# Altium PCB DD2090_4CAM_FFC.PcbDoc (part 1 of 4) (continued)
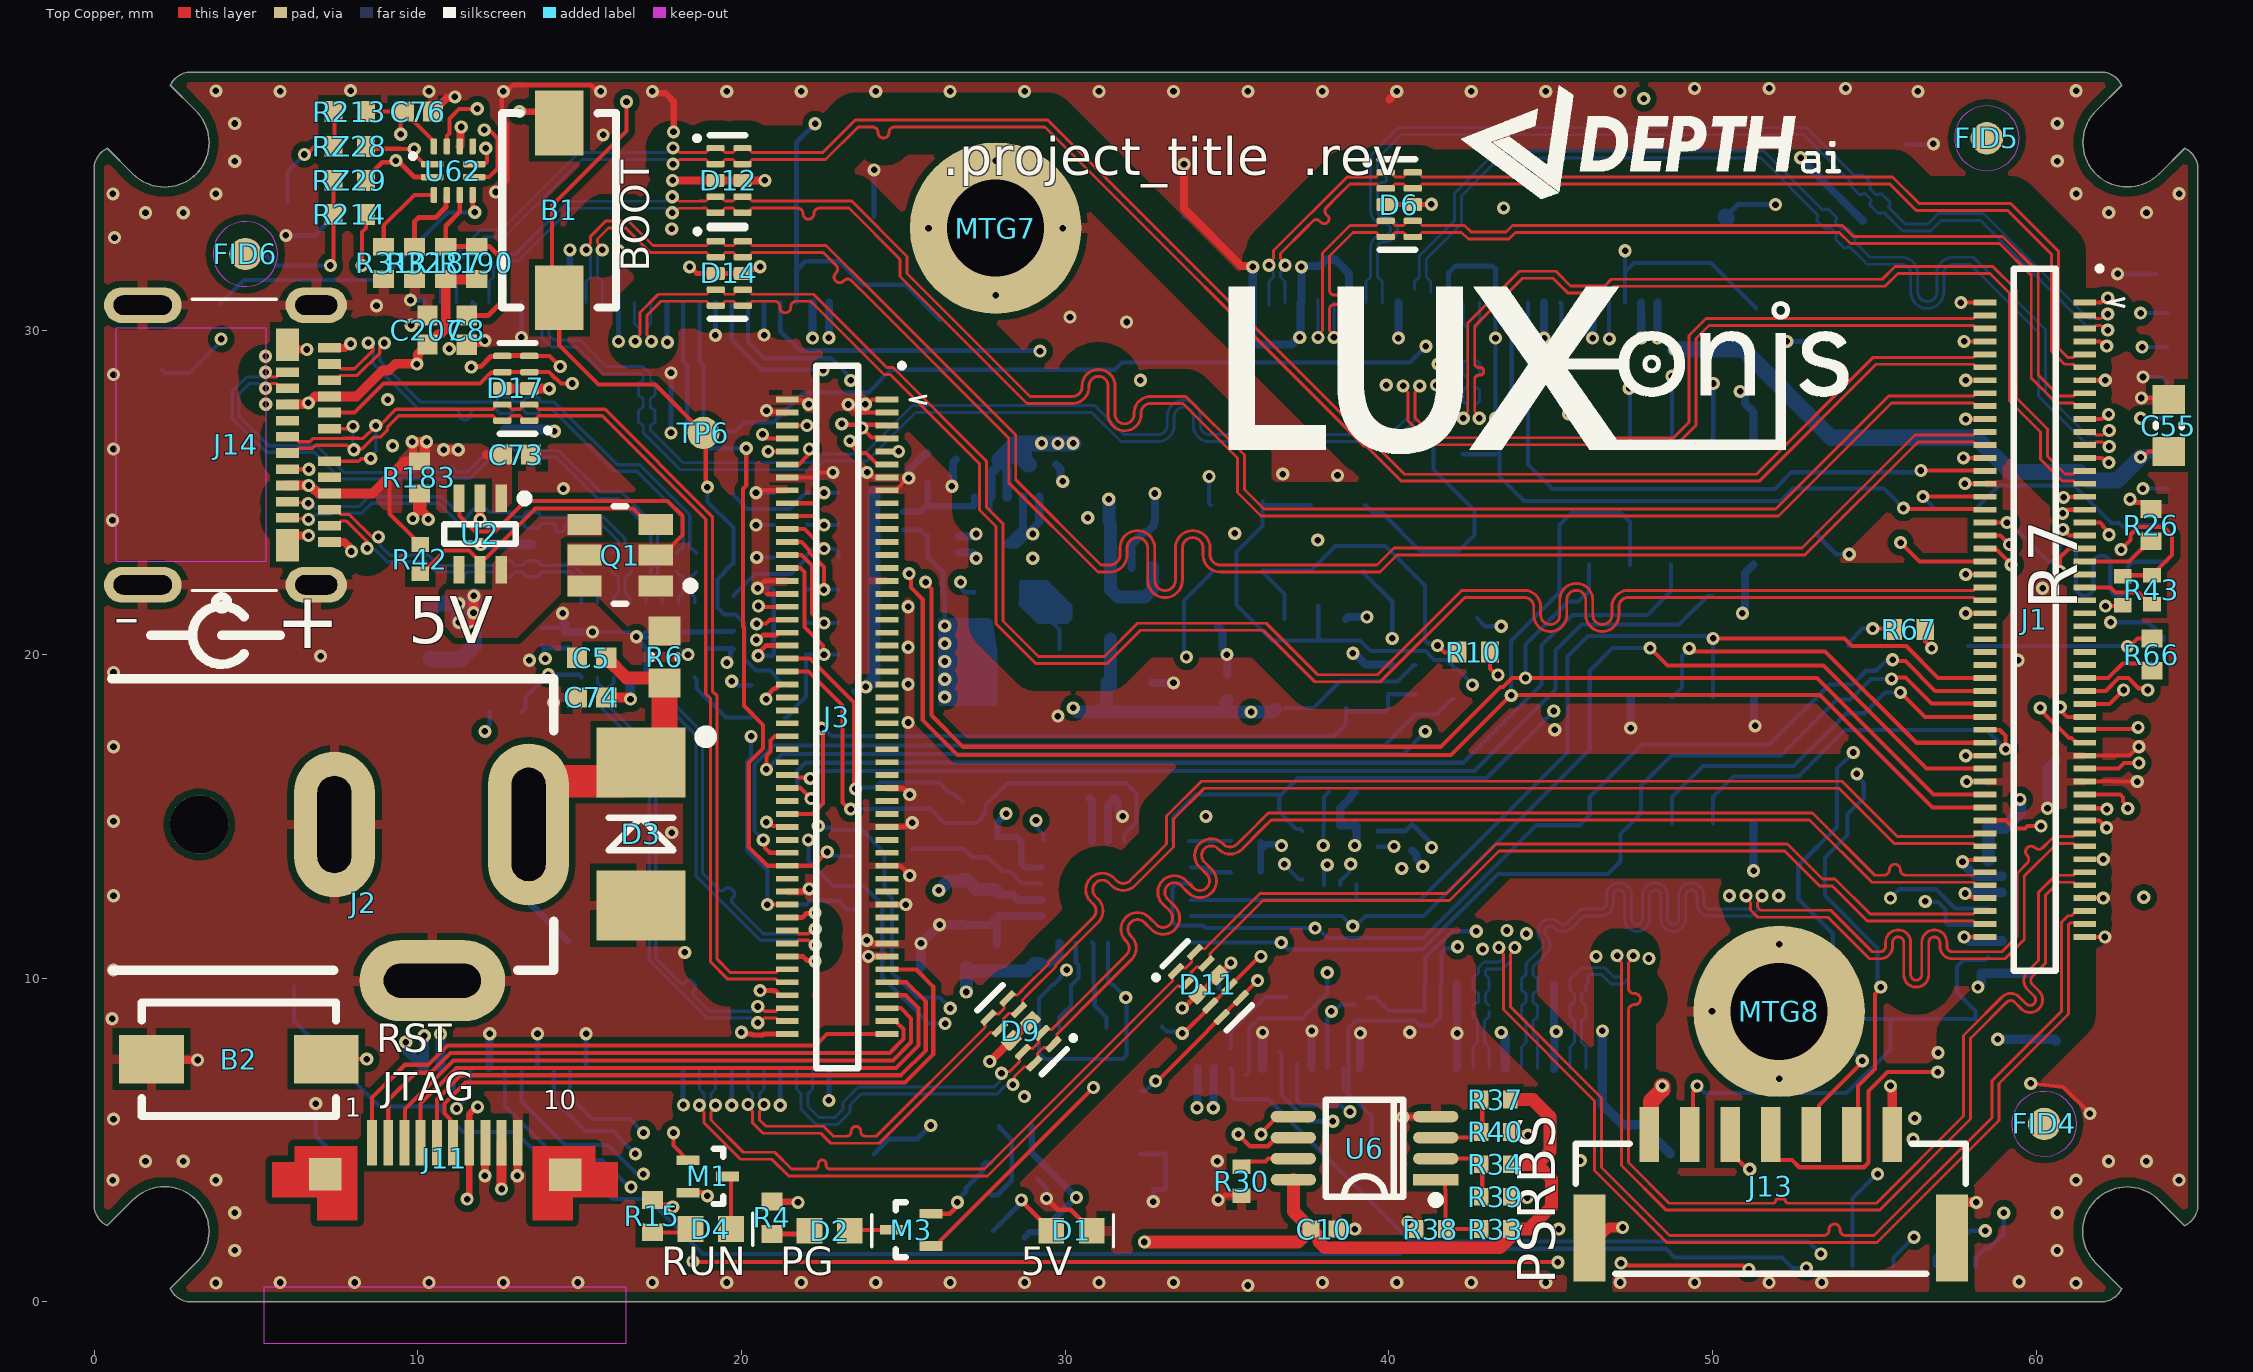
[diagram p0: Top Copper view]
## Components (designator, comment, footprint, x,y, rotation, side; value= is the part's Value field where it differs from the comment) (continued)
R13 "0R 0603" RESC0603(1608)_N 38.423,22.575 r0 bottom
R14 "0R 0603" RESC0603(1608)_N 35.298,22.6 r180 bottom
R15 "1K 0402" RESC0402(1005)_N 17.248,2.65 r90 top
R16 "1K 0402" RESC0402(1005)_N 23.6,21 r0 bottom
R17 "0R 0603" RESC0603(1608)_N 38.423,24.725 r0 bottom
R18 "0R 0603" RESC0603(1608)_N 35.298,24.725 r180 bottom
R19 "10K 0402" RESC0402(1005)_N 21.55,25 r180 bottom
R20 "10K 0402" RESC0402(1005)_N 21.55,24 r180 bottom
R21 "10K 0402" RESC0402(1005)_N 21.55,23 r180 bottom
R22 "10K 0402" RESC0402(1005)_N 21.55,22 r180 bottom
R23 "10K 0402" RESC0402(1005)_N 21.55,21 r180 bottom
R24 "1K 0402" RESC0402(1005)_N 23.6,24 r0 bottom
R25 "20K 0402" RESC0402(1005)_L 25.75,25.775 r270 bottom
R26 "1K 0402" RESC0402(1005)_N 63.55,24 r270 top
R27 "0R 0603" RESC0603(1608)_N 41.923,21.125 r0 bottom
R28 "0R 0402" RESC0402(1005)_N 19.75,22.3 r90 bottom
R29 "0R 0402" RESC0402(1005)_N 19.75,24.425 r270 bottom
R30 "1K 0402" RESC0402(1005)_L 35.45,3.725 r90 top
R31 "10K 0402" RESC0402(1005)_N 8.948,32.1 r270 top
R32 "10K 0402" RESC0402(1005)_N 9.906,32.1 r270 top
R33 "10K 0402" RESC0402(1005)_L 43.3,2.25 r0 top
R34 "10K 0402" RESC0402(1005)_L 43.3,4.25 r0 top
R35 "10K 0402" RESC0402(1005)_L 27.91,13.927 r90 bottom
R36 "0R 0603" RESC0603(1608)_L 26.848,14.725 r90 bottom
R37 "10K 0402" RESC0402(1005)_L 43.3,6.25 r0 top
R38 "10K 0402" RESC0402(1005)_L 41.3,2.25 r0 top
R39 "10K 0402" RESC0402(1005)_L 43.3,3.25 r180 top
R40 "10K 0402" RESC0402(1005)_L 43.3,5.25 r180 top
R41 "0R 0402" RESC0402(1005)_N 21.35,18.55 r90 bottom
R42 "100K 0402" RESC0402(1005)_L 10.075,22.95 r270 top
R43 "CRCW04020000Z0ED" RESC0402(1005)_L 63.575,22 r90 top value=0
R44 "10K 0402" RESC0402(1005)_L 40.825,19.225 r90 bottom
R60 "1K 0402" RESC0402(1005)_N 23.6,23 r0 bottom
R61 "1K 0402" RESC0402(1005)_N 23.6,22 r0 bottom
R63 "10K 0402" RESC0402(1005)_N 21.55,20 r180 bottom
R66 "0R 0402" RESC0402(1005)_N 63.575,20 r270 top
R67 "0R 0402" RESC0402(1005)_N 56.075,20.775 r180 top
R183 "10K 0402" RESC0402(1005)_N 10.05,25.475 r90 top
R185 "10K 0402" RESC0402(1005)_N 20.298,18.55 r90 bottom
R186 "10K 0402" RESC0402(1005)_N 12.725,18.225 r180 bottom
R187 "1.8MR 0402" RESC0402(1005)_N 10.864,32.1 r90 top
R190 "1.8MR 0402" RESC0402(1005)_N 11.823,32.1 r90 top
R213 "10K 0402" RESC0402(1005)_N 7.898,36.775 r0 top
R214 "10K 0402" RESC0402(1005)_N 7.898,33.6 r0 top
RZ28 "10K 0402" RESC0402(1005)_N 7.898,35.7 r0 top
RZ29 "10K 0402" RESC0402(1005)_N 7.898,34.65 r0 top
SW1 "416131160804" FP-416131160804-MFG 56.225,4.925 r180 bottom locked
TP1 "TP100_200_NS" TP100_200_NS 39.475,4.775 r180 bottom
TP2 "TP100_200_NS" TP100_200_NS 51.348,30.7 r180 bottom
TP3 "TP100_200_NS" TP100_200_NS 42.275,26.188 r180 bottom
TP4 "TP100_200_NS" TP100_200_NS 44.298,26.188 r180 bottom
TP5 "TP100_200_NS" TP100_200_NS 39.35,9.4 r180 bottom
TP6 "TP100_200_NS" TP100_200_NS 18.825,26.85 r0 top
TP7 "TP100_200_NS" TP100_200_NS 14.629,11.151 r180 bottom
TP8 "TP100_200_NS" TP100_200_NS 23.625,18.725 r180 bottom
TP9 "TP100_200_NS" TP100_200_NS 26.15,30.4 r180 bottom
TP11 "TP100_200_NS" TP100_200_NS 32.348,6.525 r180 bottom
TP13 "TP100_200_NS" TP100_200_NS 32.923,8.5 r180 bottom
TP14 "TP100_200_NS" TP100_200_NS 23.948,9.5 r180 bottom
TP15 "TP100_200_NS" TP100_200_NS 34.787,9.555 r180 bottom
TP16 "TP100_200_NS" TP100_200_NS 34.723,20.85 r180 bottom
TP17 "TP100_200_NS" TP100_200_NS 56,35.75 r180 bottom
TP18 "TP075_150_NS" TP075_150_NS 26.23,21.827 r180 bottom
TP19 "TP100_200_NS" TP100_200_NS 24.175,15.225 r180 bottom
TP20 "TP100_200_NS" TP100_200_NS 36.823,9.425 r90 bottom
TP21 "TP100_200_NS" TP100_200_NS 6.175,9.75 r180 bottom
TP22 "TP100_200_NS" TP100_200_NS 31.3,28.8 r180 bottom
TP23 "TP100_200_NS" TP100_200_NS 23.4,13.775 r180 bottom
TP25 "TP100_200_NS" TP100_200_NS 36.45,15.625 r180 bottom
TP26 "TP100_200_NS" TP100_200_NS 25.273,14 r180 bottom
TP40 "TP100_200_NS" TP100_200_NS 23.5,12.125 r180 bottom
TP41 "TP100_200_NS" TP100_200_NS 2.075,28.8 r180 bottom
TP42 "TP100_200_NS" TP100_200_NS 3.875,30.825 r180 bottom
TP43 "TP100_200_NS" TP100_200_NS 5.125,32.3 r180 bottom
TP44 "TP100_200_NS" TP100_200_NS 5.975,34 r180 bottom
U1 "TPS51313DRCR" VSON-TPS51313DRCR 28.2,23.4 r270 bottom
U2 "LM66100DCKR" LM66100DCKR 11.925,23.725 r270 top
U4 "TLV70018DCK" TLV70018DCK 32.049,21.583 r0 bottom
U5 "NC7SZ66M5X" SOT235 37.723,19.725 r270 bottom
U6 "24AA32A-I/MS 8-MSOP" 24AA32A-I/MS 39.25,4.75 r180 top
U7 "BMI270" XDCR_BMI270 38.5,13.8 r0 bottom
U12 "BNO085" BNO085 31.578,12.671 r270 bottom locked
U61 "USB Type-C Switch" CBTL02043A 16.803,20.449 r90 bottom
U62 "USB Type-C Port Control" TUSB321RWBR 11.098,34.95 r90 top
Y1 "ABS06-127-32.768KHZ-T" ABS06-127-32.768KHZ-T 30.545,8.467 r0 bottom

## Footprints (in the part's own frame and the unit in brackets; to place one, negate y for a bottom-side part, rotate by r counter-clockwise, add the part's x,y. Pads: shape width x height; smd on the part's side, far side on the other; paste and mask are expansions set on the pad)
1SMB5919BT3G [mm] "Molded, 2-Leads, Body 4.6x3.95mm"
  rect 2.159x2.743 smd: 1(-2.21,0) 2(2.21,0)
  silkscreen extent -3.1,-1 0.5,2.1, body extent -2.3,-1.97 2.3,1.97, height 2.42
24AA32A-I/MS [mm] "Body: 3 x 3mm, pitch: 0.65mm"
  rect 1.4x0.35 smd mask+0.05: 1(-2.2,0.975)
  oval 1.4x0.35 smd mask+0.05: 2(-2.2,0.325) 3(-2.2,-0.325) 4(-2.2,-0.975) 5(2.2,-0.975) 6(2.2,-0.325) 7(2.2,0.325) 8(2.2,0.975)
  silkscreen extent -2.33,-1.5 1.2,1.72, body extent -2.45,-1.5 2.45,1.5, height 1.15
104031-0811 [mm] "10 (8 + 2) Position Card Connector Secure Digital - microSD™ Surface Mount, Right Angle Gold"
  rect 0.85x1.1 smd: 1(3.113,-5.412) 3(0.913,-5.412) 4(-0.188,-5.412) 5(-1.288,-5.412) 6(-2.387,-5.412) 7(-3.487,-5.412)
  rect 0.875x1.1 smd: 2(2.013,-5.412)
  rect 0.75x1.1 smd: 8(-4.537,-5.412)
  rect 1.2x1 smd: 9(5.748,0.738) 10(5.748,4.438)
  rect 1.9x1.35 smd: 11(2.248,5.413) 12(-3.722,5.413)
  rect 1.17x1.8 smd: 13(-5.747,-5.062)
  rect 1.55x1.35 smd: 14(5.573,-5.287)
  body extent -5.95,-5.65 6,5.75, height 1.44
105450-0101 [mm] "USB3.1 Type-C Molex SMT, RA, TH"
  rect 0.3x0.7 smd mask+0.05: A1(-3,0.65) A2(-2.5,0.65) A3(-2,0.65) A4(-1.5,0.65) A5(-1,0.65) A6(-0.5,0.65) A7(0.5,0.65) A8(1,0.65) A9(1.5,0.65) A10(2,0.65) A11(2.5,0.65) A12(3,0.65) B2(2.25,-0.65) B3(1.75,-0.65) B4(1.25,-0.65) B5(0.75,-0.65) B6(0.25,-0.65) B7(-0.25,-0.65) B8(-0.75,-0.65) B9(-1.25,-0.65) B10(-1.75,-0.65) B11(-2.25,-0.65)
  rect 1x0.7 smd mask+0.02: B1(3.1,-0.65) B12(-3.1,-0.65)
  oval 1.1x1.9 hole 0.6 slot 1.3 at 90 deg mask+0.05: SH1(-4.32,0.24) SH4(4.32,0.24)
  oval 1.1x2.4 hole 0.6 slot 1.8 at 90 deg mask+0.05: SH2(-4.32,-5.12) SH3(4.32,-5.12)
  Top Copper keep-out region: -3.6,-5.951 3.6,-5.951 3.6,-1.3 -3.6,-1.3
  silkscreen extent -4.5,-3.6 4.5,-1, body extent -4.47,-7.02 4.47,0.88, height 3.2
20021121-00010T1LF [mm] "Connector Header Surface Mount 10 position 0.050\" (1.27mm)   Contact length: 0.120\" (3.05mm)"
  rect 0.76x2.4 smd: 1(-2.54,-1.95) 2(-2.54,1.95) 3(-1.27,-1.95) 4(-1.27,1.95) 5(0,-1.95) 6(0,1.95) 7(1.27,-1.95) 8(1.27,1.95) 9(2.54,-1.95) 10(2.54,1.95)
  body extent -3.18,-2.75 3.17,2.75, height 4.55
9774030243R [mm] "STANDOFF_M2X0.4_3MM with no pad on bottom of PCB"
  round 5.3 / inner round 2.7 / far side round 2.7 hole 3 mask+0.05: 1(0,0)
  body extent -2.17,-2.17 2.18,2.17, height 3.05
ABS06-127-32.768KHZ-T [mm] "2-SMD 0.079\" L x 0.047\" W (2.00mm x 1.20mm)"
  rect 0.75x1.4 smd: 1(-0.73,0) 2(0.73,0)
  body extent -1,-0.6 1,0.6, height 0.65
BNO085 [mm] "28-TFLGA Module (5.2x3.8)"
  rect 0.675x0.25 smd paste+0 mask+0: 1(1.562,2.25) 6(-1.562,2.25) 7(-1.562,1.75) 8(-1.562,1.25) 9(-1.562,0.75) 10(-1.562,0.25) 11(-1.562,-0.25) 12(-1.562,-0.75) 13(-1.562,-1.25) 14(-1.562,-1.75) 15(-1.562,-2.25) 20(1.562,-2.25) 21(1.562,-1.75) 22(1.562,-1.25) 23(1.562,-0.75) 24(1.562,-0.25) 25(1.562,0.25) 26(1.562,0.75) 27(1.562,1.25) 28(1.562,1.75)
  rect 0.25x0.575 smd paste+0 mask+0: 2(0.75,2.312) 3(0.25,2.312) 4(-0.25,2.312) 5(-0.75,2.312) 16(-0.75,-2.312) 17(-0.25,-2.312) 18(0.25,-2.312) 19(0.75,-2.312)
  silkscreen extent -2.3,-3.08 3.05,3.08, body extent -1.9,-2.6 1.9,2.6, height 1.18
CAPC0201(0603)33_L [mm] "Chip Capacitor, Body 0.6x0.3mm, Height 0.33mm, IPC High Density"
  rect 0.36x0.32 smd: 1(-0.28,0) 2(0.28,0)
  body extent -0.32,-0.17 0.32,0.17, height 0.33
CAPC0402(1005)70_L [mm] "Chip Capacitor, Body 1.0x0.5mm, Height 0.7mm, IPC High Density"
  rect 0.52x0.52 smd: 1(-0.4,0) 2(0.4,0)
  body extent -0.55,-0.3 0.55,0.3, height 0.7
CAPC0402(1005)70_N [mm] "Chip Capacitor, Body 1.0x0.5mm, Height 0.7mm, IPC Medium Density"
  rect 0.62x0.62 smd: 1(-0.45,0) 2(0.45,0)
  body extent -0.55,-0.3 0.55,0.3, height 0.7
CAPC0603(1608)100_L [mm] "Chip Capacitor, Body 1.6x0.8mm, Height 1.0mm, IPC High Density"
  rect 0.7x0.9 smd: 1(-0.7,0) 2(0.7,0)
  silkscreen extent -0.05,-0.35 0.05,0.35, body extent -0.87,-0.47 0.88,0.48, height 1
CAPC0603(1608)100_N [mm] "Chip Capacitor, Body 1.6x0.8mm, Height 1.0mm, IPC Medium Density"
  rect 0.9x1 smd: 1(-0.8,0) 2(0.8,0)
  silkscreen extent -0.05,-0.4 0.05,0.4, body extent -0.87,-0.48 0.88,0.47, height 1
CBTL02043A [mm] "VQFN-20"
  rrect20% 0.25x0.6 smd mask+0.07: 1(-0.25,2.15) 10(-0.25,-2.15) 11(0.25,-2.15) 20(0.25,2.15)
  rrect20% 0.6x0.25 smd mask+0.07: 2(-1.15,1.75) 3(-1.15,1.25) 4(-1.15,0.75) 5(-1.15,0.25) 6(-1.15,-0.25) 7(-1.15,-0.75) 8(-1.15,-1.25) 9(-1.15,-1.75) 12(1.15,-1.75) 13(1.15,-1.25) 14(1.15,-0.75) 15(1.15,-0.25) 16(1.15,0.25) 17(1.15,0.75) 18(1.15,1.25) 19(1.15,1.75)
  rrect10% 1x3 smd paste-3 mask+0.07: 21(0,0)
  silkscreen extent -1.25,-2.25 1.25,2.53, body extent -1.25,-2.25 1.25,2.25, height 1
CON_A_BW2099_SoM_DF40HC-3.0-100DS-0.4V_minpad [mm] "3.0MM MATED HEIGHT CONN HDR 100POS 0.4MM SMD GOLD"
  rect 0.7x0.18 smd: 1(-19.04,-9.8) 2(-15.96,-9.8) 3(-19.04,-9.4) 4(-15.96,-9.4) 5(-19.04,-9) 6(-15.96,-9) 7(-19.04,-8.6) 8(-15.96,-8.6) 9(-19.04,-8.2) 10(-15.96,-8.2) 11(-19.04,-7.8) 12(-15.96,-7.8) 13(-19.04,-7.4) 14(-15.96,-7.4) 15(-19.04,-7) 16(-15.96,-7) 17(-19.04,-6.6) 18(-15.96,-6.6) 19(-19.04,-6.2) 20(-15.96,-6.2) 21(-19.04,-5.8) 22(-15.96,-5.8) 23(-19.04,-5.4) 24(-15.96,-5.4) 25(-19.04,-5) 26(-15.96,-5) 27(-19.04,-4.6) 28(-15.96,-4.6) 29(-19.04,-4.2) 30(-15.96,-4.2) 31(-19.04,-3.8) 32(-15.96,-3.8) 33(-19.04,-3.4) 34(-15.96,-3.4) 35(-19.04,-3) 36(-15.96,-3) 37(-19.04,-2.6) 38(-15.96,-2.6) 39(-19.04,-2.2) 40(-15.96,-2.2) 41(-19.04,-1.8) 42(-15.96,-1.8) 43(-19.04,-1.4) 44(-15.96,-1.4) 45(-19.04,-1) 46(-15.96,-1) 47(-19.04,-0.6) 48(-15.96,-0.6) 49(-19.04,-0.2) 50(-15.96,-0.2) 51(-19.04,0.2) 52(-15.96,0.2) 53(-19.04,0.6) 54(-15.96,0.6) 55(-19.04,1) 56(-15.96,1) 57(-19.04,1.4) 58(-15.96,1.4) 59(-19.04,1.8) 60(-15.96,1.8) 61(-19.04,2.2) 62(-15.96,2.2) 63(-19.04,2.6) 64(-15.96,2.6) 65(-19.04,3) 66(-15.96,3) 67(-19.04,3.4) 68(-15.96,3.4) 69(-19.04,3.8) 70(-15.96,3.8) 71(-19.04,4.2) 72(-15.96,4.2) 73(-19.04,4.6) 74(-15.96,4.6) 75(-19.04,5) 76(-15.96,5) 77(-19.04,5.4) 78(-15.96,5.4) 79(-19.04,5.8) 80(-15.96,5.8) 81(-19.04,6.2) 82(-15.96,6.2) 83(-19.04,6.6) 84(-15.96,6.6) 85(-19.04,7) 86(-15.96,7) 87(-19.04,7.4) 88(-15.96,7.4) 89(-19.04,7.8) 90(-15.96,7.8) 91(-19.04,8.2) 92(-15.96,8.2) 93(-19.04,8.6) 94(-15.96,8.6) 95(-19.04,9) 96(-15.96,9) 97(-19.04,9.4) 98(-15.96,9.4) 99(-19.04,9.8) 100(-15.96,9.8)
  silkscreen extent -20.25,-10.88 -16.85,10.85, body extent -19.19,-11.3 -15.81,11.3, height 2.85
CON_B_BW2099_SoM_DF40HC-3.0-100DS-0.4V_minpad [mm] "3.0MM MATED HEIGHT CONN HDR 100POS 0.4MM SMD GOLD"
  rect 0.7x0.18 smd: 1(17.96,-6.8) 2(21.04,-6.8) 3(17.96,-6.4) 4(21.04,-6.4) 5(17.96,-6) 6(21.04,-6) 7(17.96,-5.6) 8(21.04,-5.6) 9(17.96,-5.2) 10(21.04,-5.2) 11(17.96,-4.8) 12(21.04,-4.8) 13(17.96,-4.4) 14(21.04,-4.4) 15(17.96,-4) 16(21.04,-4) 17(17.96,-3.6) 18(21.04,-3.6) 19(17.96,-3.2) 20(21.04,-3.2) 21(17.96,-2.8) 22(21.04,-2.8) 23(17.96,-2.4) 24(21.04,-2.4) 25(17.96,-2) 26(21.04,-2) 27(17.96,-1.6) 28(21.04,-1.6) 29(17.96,-1.2) 30(21.04,-1.2) 31(17.96,-0.8) 32(21.04,-0.8) 33(17.96,-0.4) 34(21.04,-0.4) 35(17.96,0) 36(21.04,0) 37(17.96,0.4) 38(21.04,0.4) 39(17.96,0.8) 40(21.04,0.8) 41(17.96,1.2) 42(21.04,1.2) 43(17.96,1.6) 44(21.04,1.6) 45(17.96,2) 46(21.04,2) 47(17.96,2.4) 48(21.04,2.4) 49(17.96,2.8) 50(21.04,2.8) 51(17.96,3.2) 52(21.04,3.2) 53(17.96,3.6) 54(21.04,3.6) 55(17.96,4) 56(21.04,4) 57(17.96,4.4) 58(21.04,4.4) 59(17.96,4.8) 60(21.04,4.8) 61(17.96,5.2) 62(21.04,5.2) 63(17.96,5.6) 64(21.04,5.6) 65(17.96,6) 66(21.04,6) 67(17.96,6.4) 68(21.04,6.4) 69(17.96,6.8) 70(21.04,6.8) 71(17.96,7.2) 72(21.04,7.2) 73(17.96,7.6) 74(21.04,7.6) 75(17.96,8) 76(21.04,8) 77(17.96,8.4) 78(21.04,8.4) 79(17.96,8.8) 80(21.04,8.8) 81(17.96,9.2) 82(21.04,9.2) 83(17.96,9.6) 84(21.04,9.6) 85(17.96,10) 86(21.04,10) 87(17.96,10.4) 88(21.04,10.4) 89(17.96,10.8) 90(21.04,10.8) 91(17.96,11.2) 92(21.04,11.2) 93(17.96,11.6) 94(21.04,11.6) 95(17.96,12) 96(21.04,12) 97(17.96,12.4) 98(21.04,12.4) 99(17.96,12.8) 100(21.04,12.8)
  silkscreen extent 16.75,-7.88 20.15,13.85, body extent 17.81,-8.3 21.19,14.3, height 2.85
DFE252012P-1R0M=P2 [mm] "Chip Inductor, 2-Leads, Body 2.40x2.00mm, IPC High Density"
  rect 0.8x2 smd: 1(-1,0) 2(1,0)
  silkscreen extent -0.05,-0.9 0.05,0.9, body extent -1.25,-1.1 1.25,1.1, height 1.2
DTSM-32N-V [mm] "tactile button 160gf"
  rect 2x1.5 smd: 1(-2.7,0) 2(2.7,0)
  silkscreen extent -3.01,-1.76 3,1.75, body extent -3.65,-1.75 3.65,1.75, height 5
F32R-1A7H1-11010 [mm]
  rect 0.3x1.6 smd: 1(-2.249,1.325) 2(-1.749,1.325) 3(-1.249,1.325) 4(-0.749,1.325) 5(-0.249,1.325) 6(0.251,1.325) 7(0.751,1.325) 8(1.251,1.325) 9(1.751,1.325) 10(2.251,1.325)
  rect 2.4x2.4 smd: MP1(-4.349,-1.325) MP2(4.349,-1.325)
  silkscreen extent -3.95,1.55 4.48,2.07, body extent -6.14,-4.25 6.16,1.25, height 2.08
F32R-1A7H1-11026 [mm] "26pin Molex FFC 0.5mm Bottom"
  rect 0.3x1.6 smd: 1(-6.25,1.225) 2(-5.75,1.225) 3(-5.25,1.225) 4(-4.75,1.225) 5(-4.25,1.225) 6(-3.75,1.225) 7(-3.25,1.225) 8(-2.75,1.225) 9(-2.25,1.225) 10(-1.75,1.225) 11(-1.25,1.225) 12(-0.75,1.225) 13(-0.25,1.225) 14(0.25,1.225) 15(0.75,1.225) 16(1.25,1.225) 17(1.75,1.225) 18(2.25,1.225) 19(2.75,1.225) 20(3.25,1.225) 21(3.75,1.225) 22(4.25,1.225) 23(4.75,1.225) 24(5.25,1.225) 25(5.75,1.225) 26(6.25,1.225)
  rect 2.4x2.4 smd: MP1(-8.35,-1.425) MP2(8.35,-1.425)
  silkscreen extent -8.49,1.45 8.49,2.44, body extent -10.16,-4.47 10.14,1.03, height 2.08
FIDUCIAL_ROUND_1MM [mm] "Round, 1mm dia"
  round 1 smd paste-1 mask+0.5: 1(0,0)
  Top Copper keep-out circle w0.025: c0,0 r1
FP-416131160804-MFG [mm]
  rect 0.76x1.27 smd paste+0 mask+0: 1(-1.905,-3.81) 2(-0.635,-3.81) 3(0.635,-3.81) 4(1.905,-3.81) 5(1.905,3.81) 6(0.635,3.81) 7(-0.635,3.81) 8(-1.905,3.81)
  silkscreen extent -3.27,-5.33 3.27,2.93, body extent -3.13,-4.22 3.13,4.22, height 2.65
LM66100DCKR [mm] "SOT23, 6-Leads, Body 2.00x2.10mm, Pitch 0.65mm, IPC Medium Density"
  rect 0.85x0.35 smd: 1(-1.1,0.65) 2(-1.1,0) 3(-1.1,-0.65) 4(1.1,-0.65) 5(1.1,0) 6(1.1,0.65)
  silkscreen extent -1.22,-1.1 0.3,1.5, body extent -1.2,-1.07 1.2,1.07, height 1.1
PJ-050AH/NEB21R_COMBO [mm] "PJ-050AH or NEB21R 2.1mm ID, 5.5mm OD, 3pin, 2contact"
  oval 5x2.5 hole 1.05 slot 3.5 at 0 deg mask+0.05: 1(0,6.025)
  oval 2.5x4.5 hole 1.05 slot 3 at 90 deg mask+0.05: 2(4.825,3.05)
  oval 4.5x2.5 hole 1.05 slot 3 at 0 deg mask+0.05: 3(0,0.025)
  round 1.8 hole 1.8 unplated: ""(0,-4.15)
  silkscreen extent -6.75,-6.85 4.5,6.8, body extent -4.5,-7.65 5.2,6.85, height 11.05
RE1C002UNTCL [mm] "ROHM SOT-416FL"
  rect 0.3x0.71 smd: 1(-0.5,-0.61) 2(0.5,-0.61) 3(0,0.61)
  silkscreen extent -0.85,0.18 0.85,0.48, body extent -0.95,-1.06 0.95,1.06, height 0.25
RESC0402(1005)_L [mm] "Chip Resistor, Body 1.0x0.5mm, IPC High Density"
  rect 0.45x0.55 smd: 1(-0.45,0) 2(0.45,0)
  body extent -0.52,-0.27 0.53,0.28, height 0.4
RESC0402(1005)_N [mm] "Chip Resistor, Body 1.0x0.5mm, IPC Medium Density"
  rect 0.55x0.65 smd: 1(-0.5,0) 2(0.5,0)
  body extent -0.52,-0.27 0.53,0.28, height 0.4
RESC0603(1608)_L [mm] "Chip Resistor, Body 1.6x0.8mm, IPC High Density"
  rect 0.7x0.9 smd: 1(-0.7,0) 2(0.7,0)
  silkscreen extent -0.05,-0.35 0.05,0.35, body extent -0.85,-0.47 0.85,0.47, height 0.6
RESC0603(1608)_N [mm] "Chip Resistor, Body 1.6x0.8mm, IPC Medium Density"
  rect 0.9x1 smd: 1(-0.8,0) 2(0.8,0)
  silkscreen extent -0.05,-0.4 0.05,0.4, body extent -0.85,-0.47 0.85,0.47, height 0.6
SFV10R-2STE1HLF [mm] "CONN FFC TOP 10POS 0.50MM R/A"
  rect 0.305x1.405 smd: 1(-2.258,0.494) 1(-2.258,0.494) 2(-1.759,0.494) 3(-1.258,0.494) 4(-0.758,0.494) 5(-0.258,0.494) 6(0.242,0.494) 7(0.741,0.494) 8(1.242,0.494) 9(1.742,0.494) 10(2.242,0.494)
  rect 1x1 smd: 11(-3.707,-0.486) 12(3.708,-0.494)
  Top Copper region: 3.942,0.394 2.692,0.394 2.692,-1.906 3.942,-1.906
  Top Copper region: 5.341,-0.105 2.691,-0.105 2.691,-1.205 5.341,-1.205
  Top Copper region: 4.641,0.395 2.691,0.395 2.691,-1.205 4.641,-1.205
  Top Copper region: -4.658,-1.205 -2.708,-1.205 -2.708,0.395 -4.658,0.395
  Top Copper region: -5.358,-1.205 -2.708,-1.205 -2.708,-0.105 -5.358,-0.105
  Top Copper region: -3.958,-1.906 -2.708,-1.906 -2.708,0.394 -3.958,0.394
  Keep-Out Layer region: 5.594,-5.708 5.594,-3.973 -5.611,-3.973 -5.611,-5.708
  body extent -5.26,-4.01 5.24,0.89, height 1.82
SM07B-GHS-TB [mm]
  rect 0.6x1.7 smd mask+0.05: 1(-3.75,1.6) 2(-2.5,1.6) 3(-1.25,1.6) 4(0,1.6) 5(1.25,1.6) 6(2.5,1.6) 7(3.75,1.6)
  rect 1x2.7 smd mask+0.05: MH1(-5.6,-1.6) MH2(5.6,-1.6)
  silkscreen extent -6.02,-2.7 6.02,1.31, body extent -6.03,-2.7 5.97,2.15, height 4.25
SML_D1xx8W [mm] "Rohm LED SML_D1 series - Chip Diode, 2-Leads, Body 1.60x0.80mm, IPC High Density"
  rect 0.8x0.8 smd: 1(-0.625,0) 2(0.625,0)
  silkscreen extent -1.3,-0.5 -1.3,0.5, body extent -0.8,-0.4 0.8,0.4, height 0.6
SOT235 [mm] "SOT23-5 60mil"
  rrect17% 1x0.6 smd: 1(-1.375,0.95) 2(-1.375,0) 3(-1.375,-0.95) 4(1.375,-0.95) 5(1.375,0.95)
  silkscreen extent -1.52,-1.55 0.5,1.82, body extent -1.43,-1.45 1.4,1.45, height 1.17
TLV70018DCK [mm] "SC70-5 1.1mm"
  rect 0.4x0.9 smd paste-0.025 mask+0.05: 1(-0.65,-1.1) 2(0,-1.1) 3(0.65,-1.1) 4(0.65,1.1) 5(-0.65,1.1)
  silkscreen extent -1.27,-1.74 -1.22,-1.69, body extent -1.1,-1.2 1.1,1.2, height 1.1
TP075_150_NS [mm] "0.75mm dia pad, 1.5mm dia clearance, no silk screen"
  round 0.75 smd paste-2: 1(0,0)
TP100_200_NS [mm] "1mm dia pad, 2mm dia clearance, no silk screen"
  round 1 smd paste-2: 1(0,0)
TPD4E02B04DQAR [mm] "TPD4E02B04DQAR"
  rrect50% 0.2x0.565 smd mask+0.07: 1(-1,-0.417) 2(-0.5,-0.417) 4(0.5,-0.417) 5(1,-0.417) 6(1,0.417) 7(0.5,0.417) 9(-0.5,0.417) 10(-1,0.417)
  rrect25% 0.4x0.565 smd mask+0.07: 3(0,-0.417) 8(0,0.417)
  silkscreen extent -1.4,-1.01 1.4,0.5, body extent -1.2,-0.71 1.2,0.71, height 0.55
TSOP-6-MFG [mm]
  rect 1.06x0.65 smd: 1(-1.1,0.95) 2(-1.1,0) 3(-1.1,-0.95) 4(1.1,-0.95) 5(1.1,0) 6(1.1,0.95)
  silkscreen extent -2.3,-1.5 0.2,1.5, body extent -1.73,-1.6 1.73,1.6, height 0.25
TUSB321RWBR [mm] "X2QFN-12 1.6x1.6"
  rrect50% 0.2x0.7 smd mask+0.05: 1(0.2,0.65) 2(-0.2,0.65) 7(-0.2,-0.65) 8(0.2,-0.65)
  rrect50% 0.5x0.2 smd mask+0.05: 3(-0.75,0.6) 4(-0.75,0.2) 5(-0.75,-0.2) 6(-0.75,-0.6) 9(0.75,-0.6) 10(0.75,-0.2) 11(0.75,0.2) 12(0.75,0.6)
  silkscreen extent 0.42,1.22 0.48,1.28, body extent -0.8,-0.8 0.8,0.8, height 0.4
VSON-TPS51313DRCR [mm] "SON, 10-Leads, Body 3x3mm, Pitch 0.5mm, Thermal Pad 2.4x1.65mm, TI Recommended"
  rrect36% 0.85x0.28 smd paste-0.025 mask+0.07: 1(-1.475,1) 2(-1.475,0.5) 3(-1.475,0) 4(-1.475,-0.5) 5(-1.475,-1) 6(1.475,-1) 7(1.475,-0.5) 8(1.475,0) 9(1.475,0.5) 10(1.475,1)
  rrect6% 0.28x0.8 smd paste-1 mask+0.07: 11(-0.25,-1.5) 11(-0.25,1.5) 11(0.25,-1.5) 11(0.25,1.5)
  rrect6% 1.65x2.4 smd paste-0.825 mask+0.07: 11(0,0)
  silkscreen extent -2.15,-1.7 1.7,1.7, body extent -1.55,-1.55 1.55,1.55, height 1
XDCR_BMI270 [mm]
  rect 0.475x0.25 smd: 1(-1.162,0.75) 2(-1.162,0.25) 3(-1.162,-0.25) 4(-1.162,-0.75) 8(1.162,-0.75) 9(1.162,-0.25) 10(1.162,0.25) 11(1.162,0.75)
  rect 0.25x0.475 smd: 5(-0.5,-0.913) 6(0,-0.913) 7(0.5,-0.913) 12(0.5,0.913) 13(0,0.913) 14(-0.5,0.913)
  silkscreen extent -2.07,-1.25 1.5,1.25, body extent -1.5,-1.25 1.5,1.25, height 0.87

## Part data
B1 B2: library part DTSM-32N-V, "SWITCH TACTILE SMT 3.5mm * 6mm , brown 160gf", Manufacturer 1=Diptronics, Manufacturer Part Number 1=DTSM-32N-V-T/R, Max Operating Temperature=80°C, Min Operating Temperature=-30°C, Supplier Part Number 1=113-DTSM32NVTR, ComponentLink1Description=https://datasheet.ciiva.com/29188/708548-da-01-en-tastschalter-smd-dtsm-32n-v-tr-1600st-29188823.pdf?src-supplier=Conrad, ComponentLink1URL=https://datasheet.ciiva.com/29188/708548-da-01-en-tastschalter-smd-dtsm-32n-v-tr-1600st-29188823.pdf?src-supplier=Conrad, Height=5mm, Length=6mm, Pricing 1="1=0.38000, 10=0.38000, 50=0.31000, 100=0.28200, 500=0.25600, 1000=0.23600, 1600=0.20900, 4800=0.18800, 9600=0.17300, 10000=0.17300, 24000=0.16100 (USD)", Stock 1=3199, Supplier 1=Mouser, Width=3.5mm
  B1: RoHS=Yes
  B2: RoHS=No
C1: library part GRM155R61A225KE95D, "CAP CER 2.2UF 10V X5R 0402 10%", Capacitance=2.2uF, Case Code (Imperial)=0402, Case Code (Metric)=1005, Dielectric=X5R, Manufacturer 1=Murata, Max Operating Temperature=85°C, Min Operating Temperature=-55°C, Package Quantity=10000, Supplier Part Number 1=490-10451-1-ND, Tolerance=10%, Voltage Rating=10V, Case/Package=0402, ComponentLink1Description=http://www.mouser.com/ds/2/281/c02e-2905.pdf?src-supplier=Mouser, ComponentLink1URL=http://www.mouser.com/ds/2/281/c02e-2905.pdf?src-supplier=Mouser, ComponentLink2Description=http://components.arrow.com/part/dataview/0323_04264073?src-supplier=Arrow+Europe, ComponentLink2URL=http://components.arrow.com/part/dataview/0323_04264073?src-supplier=Arrow+Europe, ComponentLink3Description=http://www.farnell.com/datasheets/1872202.pdf?src-supplier=Farnell, ComponentLink3URL=http://www.farnell.com/datasheets/1872202.pdf?src-supplier=Farnell, ComponentLink4Description=http://www.farnell.com/datasheets/2047915.pdf?src-supplier=Farnell, ComponentLink4URL=http://www.farnell.com/datasheets/2047915.pdf?src-supplier=Farnell, ComponentLink5Description=http://www.farnell.com/datasheets/1872202.pdf?src-supplier=Element14, ComponentLink5URL=http://www.farnell.com/datasheets/1872202.pdf?src-supplier=Element14, ComponentLink6Description=http://psearch.en.murata.com/capacitor/product/GRM155R61A225KE95%23.pdf?src-supplier=Avnet, ComponentLink6URL=http://psearch.en.murata.com/capacitor/product/GRM155R61A225KE95%23.pdf?src-supplier=Avnet, ComponentLink7Description=http://www.farnell.com/datasheets/2047915.pdf?src-supplier=Element14, ComponentLink7URL=http://www.farnell.com/datasheets/2047915.pdf?src-supplier=Element14, ComponentLink8Description=https://search.murata.co.jp/Ceramy/image/img/A01X/G101/ENG/GRM155R61A225KE95-01.pdf?src-supplier=Digi-Key, ComponentLink8URL=https://search.murata.co.jp/Ceramy/image/img/A01X/G101/ENG/GRM155R61A225KE95-01.pdf?src-supplier=Digi-Key, ComponentLink9Description=http://www.farnell.com/datasheets/2047915.pdf?src-supplier=Newark, ComponentLink9URL=http://www.farnell.com/datasheets/2047915.pdf?src-supplier=Newark, Depth=0.5mm, Height=0.5mm, Lead Free="Lead Free", Length=1mm, Manufacturer Part Number 1=GRM155R61A225KE95D, Material=Ceramic, Mount="Surface Mount", Packaging="Tape and Reel", Pricing 1="1=0.13000, 10=0.09000, 100=0.04250, 500=0.02982, 1000=0.02469, 2500=0.02298, 5000=0.02103 (USD)", REACH SVHC="No SVHC", RoHS=Yes, Stock 1=1453518, Supplier 1=Digi-Key, Termination=SMD/SMT, Thickness=0.022inch, Voltage Rating (DC)=10V, Weight=0.000212oz, Width=0.5mm
C2 C13 C14 C15 C16: library part GRM188R61A226ME15D, "CAP CER 22UF 10V X5R 0603 20%", Capacitance=22uF, Case Code (Imperial)=0603, Case Code (Metric)=1608, Dielectric=X5R, Manufacturer 1=Murata, Max Operating Temperature=85°C, Min Operating Temperature=-55°C, Package Quantity=4000, Supplier Part Number 1=490-10476-1-ND, Tolerance=20%, Voltage Rating=10V, Case/Package=0603, ComponentLink1Description=https://datasheet.ciiva.com/46444/1769893-46444975.pdf?src-supplier=Element14, ComponentLink1URL=https://datasheet.ciiva.com/46444/1769893-46444975.pdf?src-supplier=Element14, Depth=0.8mm, Height=0.8mm, Lead Free="Lead Free", Length=1.6mm, Manufacturer Part Number 1=GRM188R61A226ME15D, Material=Ceramic, Mount="Surface Mount", Packaging="Tape and Reel", Pricing 1="1=0.31000, 10=0.21500, 100=0.12160, 500=0.08584, 1000=0.07512 (USD)", REACH SVHC="No SVHC", RoHS=Yes, Stock 1=984716, Supplier 1=Digi-Key, Termination=SMD/SMT, Thickness=0.039inch, Voltage Rating (DC)=10V, Weight=0.000222oz, Width=0.8mm
C3 C4: library part GRM188R61A226ME15D, "CAP CER 22UF 10V X5R 0603 20%", Capacitance=22uF, Case/Package=0603, Case Code (Metric)=1608, Dielectric=X5R, Manufacturer 1=Murata, Max Operating Temperature=85°C, Min Operating Temperature=-55°C, Package Quantity=4000, Supplier Part Number 1=490-10476-1-ND, Tolerance=20%, Voltage Rating=10V, Case Code (Imperial)=0603, ComponentLink1Description=https://datasheet.ciiva.com/46444/1769893-46444975.pdf?src-supplier=Element14, ComponentLink1URL=https://datasheet.ciiva.com/46444/1769893-46444975.pdf?src-supplier=Element14, Depth=0.8mm, Height=0.8mm, Lead Free="Lead Free", Length=1.6mm, Manufacturer Part Number 1=GRM188R61A226ME15D, Material=Ceramic, Mount="Surface Mount", Packaging="Tape and Reel", Pricing 1="1=0.31000, 10=0.21500, 100=0.12160, 500=0.08584, 1000=0.07512 (USD)", REACH SVHC="No SVHC", RoHS=Yes, Stock 1=984716, Supplier 1=Digi-Key, Termination=SMD/SMT, Thickness=0.039inch, Voltage Rating (DC)=10V, Weight=0.000222oz, Width=0.8mm
C5 C8: library part GRM155R61E105KA12D, "CAP CER 1UF 25V X5R 0402 10%", Capacitance=1uF, Case Code (Imperial)=0402, Case Code (Metric)=1005, Dielectric=X5R, Manufacturer 1=Murata, Max Operating Temperature=85°C, Min Operating Temperature=-55°C, Package Quantity=10000, Supplier Part Number 1=490-10017-1-ND, Tolerance=10%, Voltage=25V, Case/Package=0402, ComponentLink1Description=https://datasheet.ciiva.com/22732/1666664-22732122.pdf?src-supplier=Element14, ComponentLink1URL=https://datasheet.ciiva.com/22732/1666664-22732122.pdf?src-supplier=Element14, ComponentLink2Description=https://datasheet.ciiva.com/7719/1666664-7719006.pdf?src-supplier=Element14, ComponentLink2URL=https://datasheet.ciiva.com/7719/1666664-7719006.pdf?src-supplier=Element14, Depth=0.5mm, Height=0.5mm, Lead Free="Lead Free", Length=1mm, Manufacturer Part Number 1=GRM155R61E105KA12D, Material=Ceramic, Mount="Surface Mount", Packaging="Tape and Reel", Pricing 1="1=0.10000, 10=0.07100, 100=0.03350, 500=0.02352, 1000=0.01947, 2500=0.01812, 5000=0.01658 (USD)", REACH SVHC="No SVHC", RoHS=Yes, Stock 1=200653, Supplier 1=Digi-Key, Termination=SMD/SMT, Thickness=0.022inch, Voltage Rating=25V, Voltage Rating (DC)=25V, Weight=0.000212oz, Width=0.5mm
  C8: Supplier 2=Arrow, Supplier 3=TTI, Supplier Part Number 2=GRM155R61E105KA12D, Supplier Part Number 3=GRM155R61E105KA12D
C6 C7 C42 C43: library part GRM188R61A106ME69D, "CAP CER 10UF 10V X5R 0603 20%", Capacitance=10uF, Case Code (Imperial)=0603, Case Code (Metric)=1608, Dielectric=X5R, Manufacturer 1=Murata, Max Operating Temperature=85°C, Min Operating Temperature=-55°C, Package Quantity=4000, Supplier Part Number 1=490-10475-1-ND, Tolerance=20%, Voltage Rating=10V, Case/Package=0603, ComponentLink1Description=http://www.mouser.com/ds/2/281/c02e-2905.pdf?src-supplier=Mouser, ComponentLink1URL=http://www.mouser.com/ds/2/281/c02e-2905.pdf?src-supplier=Mouser, ComponentLink2Description=http://components.arrow.com/part/dataview/0323_06119472?src-supplier=Arrow+Europe, ComponentLink2URL=http://components.arrow.com/part/dataview/0323_06119472?src-supplier=Arrow+Europe, ComponentLink3Description=http://www.farnell.com/datasheets/2048014.pdf?src-supplier=Farnell, ComponentLink3URL=http://www.farnell.com/datasheets/2048014.pdf?src-supplier=Farnell, ComponentLink4Description=http://www.farnell.com/datasheets/1872210.pdf?src-supplier=Farnell, ComponentLink4URL=http://www.farnell.com/datasheets/1872210.pdf?src-supplier=Farnell, ComponentLink5Description=http://search.murata.co.jp/Ceramy/image/img/A01X/G101/ENG/GRM188R61A106ME69-01.pdf?src-supplier=Digi-Key, ComponentLink5URL=http://search.murata.co.jp/Ceramy/image/img/A01X/G101/ENG/GRM188R61A106ME69-01.pdf?src-supplier=Digi-Key, ComponentLink6Description=http://www.farnell.com/datasheets/1872210.pdf?src-supplier=Newark, ComponentLink6URL=http://www.farnell.com/datasheets/1872210.pdf?src-supplier=Newark, ComponentLink7Description=http://www.farnell.com/datasheets/2048014.pdf?src-supplier=Element14, ComponentLink7URL=http://www.farnell.com/datasheets/2048014.pdf?src-supplier=Element14, ComponentLink8Description=http://www.farnell.com/datasheets/2048014.pdf?src-supplier=Newark, ComponentLink8URL=http://www.farnell.com/datasheets/2048014.pdf?src-supplier=Newark, Depth=0.8mm, Height=0.8mm, Lead Free="Lead Free", Length=1.6mm, Manufacturer Part Number 1=GRM188R61A106ME69D, Material=Ceramic, Mount="Surface Mount", Packaging="Tape and Reel", Pricing 1="1=0.21000, 10=0.14100, 100=0.07130, 500=0.04876, 1000=0.04313 (USD)", REACH SVHC=Unknown, RoHS=Yes, Stock 1=2873098, Supplier 1=Digi-Key, Termination=SMD/SMT, Thickness=0.035inch, Voltage Rating (DC)=10V, Weight=0.000222oz, Width=0.8mm
C9 C10 C18 C19 C44 C45 C46: library part GRM155R71A104JA01D, "CAP CER 0.1UF 10V X7R 0402 5%", Capacitance=100nF, Case Code (Imperial)=0402, Case Code (Metric)=1005, Dielectric=X7R, Manufacturer 1=Murata, Max Operating Temperature=125°C, Min Operating Temperature=-55°C, Package Quantity=10000, Supplier Part Number 1=490-10777-1-ND, Tolerance=5%, Voltage Rating=10V, Case/Package=0402, ComponentLink1Description=https://datasheet.ciiva.com/5411/product-5411135.pdf?src-supplier=Mouser, ComponentLink1URL=https://datasheet.ciiva.com/5411/product-5411135.pdf?src-supplier=Mouser, ComponentLink2Description=https://datasheet.ciiva.com/11618/c02e-11618821.pdf?src-supplier=Avnet, ComponentLink2URL=https://datasheet.ciiva.com/11618/c02e-11618821.pdf?src-supplier=Avnet, Depth=0.5mm, Height=0.5mm, Lead Free="Lead Free", Length=1mm, Manufacturer Part Number 1=GRM155R71A104JA01D, Mount="Surface Mount", Packaging="Tape and Reel", Pricing 1="1=0.10000, 10=0.02500, 100=0.01130, 500=0.00806, 1000=0.00633, 2500=0.00575, 5000=0.00529 (USD)", Radiation Hardening=No, RoHS=Yes, Stock 1=1346709, Supplier 1=Digi-Key, Termination=SMD/SMT, Thickness=0.022inch, Voltage Rating (DC)=10V, Width=0.02inch
C11 C12: library part GRM033R61A104KE15D, "CAP CER 0.1UF 10V X5R 0201", Capacitance=100nF, Case Code (Imperial)=0201, Case Code (Metric)=0603, Dielectric=X5R, Manufacturer 1=Murata, Max Operating Temperature=85°C, Min Operating Temperature=-55°C, Package Quantity=1, Supplier Part Number 1=490-5881-1-ND, Tolerance=10%, Voltage=10V, Case/Package=0201, ComponentLink1Description=https://datasheet.ciiva.com/26843/getdatasheetpartid-308656-26843739.pdf?src-supplier=Verical, ComponentLink1URL=https://datasheet.ciiva.com/26843/getdatasheetpartid-308656-26843739.pdf?src-supplier=Verical, ComponentLink2Description=https://datasheet.ciiva.com/5413/product-5413117.pdf?src-supplier=Mouser, ComponentLink2URL=https://datasheet.ciiva.com/5413/product-5413117.pdf?src-supplier=Mouser, ComponentLink3Description=https://datasheet.ciiva.com/6256/partnumbering-e-01-6256406.pdf?src-supplier=Digi-Key, ComponentLink3URL=https://datasheet.ciiva.com/6256/partnumbering-e-01-6256406.pdf?src-supplier=Digi-Key, ComponentLink4Description=https://datasheet.ciiva.com/6256/partnumbering-e-01-6256407.pdf?src-supplier=Digi-Key, ComponentLink4URL=https://datasheet.ciiva.com/6256/partnumbering-e-01-6256407.pdf?src-supplier=Digi-Key, ComponentLink5Description=https://datasheet.ciiva.com/6256/partnumbering-e-01-6256408.pdf?src-supplier=Digi-Key, ComponentLink5URL=https://datasheet.ciiva.com/6256/partnumbering-e-01-6256408.pdf?src-supplier=Digi-Key, Depth=0.3mm, Height=0.3mm, Lead Free="Lead Free", Length=0.6mm, Manufacturer Part Number 1=GRM033R61A104KE15D, Mount="Surface Mount", Packaging="Tape and Reel", Pricing 1="1=0.10000, 10=0.04200, 100=0.01860, 500=0.01330, 1000=0.01045, 2500=0.00950, 5000=0.00874 (USD)", Radiation Hardening=No, REACH SVHC="No SVHC", RoHS=Yes, Stock 1=45335312, Supplier 1=Digi-Key, Termination=SMD/SMT, Thickness=0.013inch, Voltage Rating=10V, Voltage Rating (DC)=10V, Weight=6E-06oz, Width=0.012inch
C17: library part GRM0335C1E330JA01D, "CAP CER 33PF 25V C0G/NP0 0201", Capacitance=33pF, Case Code (Imperial)=0201, Case Code (Metric)=0603, Dielectric=C0G, Manufacturer 1=Murata, Max Operating Temperature=125°C, Min Operating Temperature=-55°C, Package Quantity=15000, Supplier Part Number 1=490-10678-1-ND, Tolerance=5%, Voltage Rating=25V, Case/Package=0201, ComponentLink1Description=https://datasheet.ciiva.com/29538/partnumbering-e-01-29538933.pdf?src-supplier=Digi-Key, ComponentLink1URL=https://datasheet.ciiva.com/29538/partnumbering-e-01-29538933.pdf?src-supplier=Digi-Key, Depth=0.3mm, Height=0.3mm, Lead Free="Lead Free", Length=0.6mm, Manufacturer Part Number 1=GRM0335C1E330JA01D, Mount="Surface Mount", Packaging="Tape and Reel", Pricing 1="1=0.10000, 10=0.01500, 100=0.00680, 500=0.00484, 1000=0.00380, 2500=0.00345, 5000=0.00317 (USD)", REACH SVHC="No SVHC", RoHS=Yes, Stock 1=1107200, Supplier 1=Digi-Key, Supplier 2=Mouser, Supplier Part Number 2=81-GRM0335C1E330JA1D, Termination=SMD/SMT, Thickness=0.013inch, Voltage Rating (DC)=25V, Width=0.012inch